# Allegro board 038RT-9068CJK8E-A100_0921_1.brd (continued)
## Routing (per net, layer and track width the routed paths; a pad name or vN(x,y) marks a point on that pad's centre or on a via; arc(x,y) is an arc through that point) (continued)
S0_P5_VDDIO:
  vias: v1(291.7,211.02) v1(291.7,207.82) v1(292.5,207.82) v1(298.28,207.59) v1(298.92,207.59)
S0_P6_CLKREQB: length 207
  L46_SIGNAL w0.145: K211.3 190.76,54.51 190.76,52.62 191.75,51.63 196.58,51.63 198.62,53.67 198.62,58.8 216.69,76.87 231.39,76.87 241.87,87.36 241.87,151.34 252.33,161.8 258.51,161.8 276.04,179.32 276.04,184.45 278.67,187.08 278.67,193.98 276.53,196.12 276.53,199.7 277.45,200.62 v1(278.1,200.62)
S0_P6_HSI+: length 33.1
  L03_SIGNAL w0.185: 256.92,189.86 257.78,189.86 arc(258.13,189.93) 258.43,190.13 265.52,197.21 arc(265.74,197.37) 266.01,197.42 280.91,197.42 arc(281.62,197.71) 281.91,198.42 281.91,198.73 arc(281.93,198.83) 281.99,198.92 v4(282.1,199.02)
  L03_SIGNAL w0.2: v1(256.65,189.74) arc(256.77,189.83) 256.92,189.86
  BOTTOM w0.14: v1(256.65,189.74) 256.51,189.88 253.31,189.88 K213.7
S0_P6_HSI-: length 33.1
  L03_SIGNAL w0.185: 256.92,190.29 257.78,190.29 arc(257.96,190.33) 258.12,190.43 258.29,190.6 arc(258.36,190.71) 258.38,190.83 258.38,190.87 arc(258.41,191.01) 258.49,191.13 258.62,191.26 arc(258.74,191.34) 258.89,191.37 258.93,191.37 arc(259.05,191.4) 259.16,191.47 259.33,191.65 arc(259.41,191.75) 259.43,191.88 259.43,191.91 arc(259.46,192.06) 259.54,192.18 259.66,192.31 arc(259.79,192.39) 259.94,192.42 259.97,192.42 arc(260.1,192.44) 260.2,192.51 260.38,192.69 arc(260.45,192.8) 260.48,192.92 260.48,192.96 arc(260.5,193.1) 260.58,193.22 260.72,193.36 arc(260.84,193.44) 260.98,193.47 261.02,193.47 arc(261.14,193.49) 261.25,193.56 261.43,193.74 arc(261.5,193.85) 261.52,193.97 261.52,194.01 arc(261.56,194.2) 261.67,194.36 arc(261.84,194.47) 262.03,194.51 262.06,194.51 arc(262.19,194.54) 262.3,194.61 262.47,194.79 arc(262.54,194.89) 262.57,195.02 262.57,195.05 arc(262.6,195.21) 262.69,195.35 262.78,195.44 arc(262.91,195.53) 263.07,195.56 263.11,195.56 arc(263.24,195.58) 263.34,195.65 265.21,197.52 arc(265.58,197.77) 266.01,197.85 280.91,197.85 arc(281.31,198.02) 281.48,198.42 281.48,198.73 arc(281.46,198.83) 281.4,198.92 v4(281.3,199.02)
  L03_SIGNAL w0.2: v1(256.65,190.4) arc(256.77,190.32) 256.92,190.29
  BOTTOM w0.14: K213.6 253.31,190.27 256.51,190.27 v1(256.65,190.4)
S0_P6_HSO+: length 30.5
  TOP w0.14: SITE0.W3 arc(279.83,198.83) 279.9,198.6 arc(279.9,198.56) 279.9,198.53 279.9,198.52 arc(279.71,198.06) 279.24,197.87 267.65,197.87 arc(266.87,197.71) 266.22,197.27 265.99,197.05 arc(265.89,196.98) 265.78,196.96 265.75,196.96 arc(265.64,196.94) 265.54,196.87 265.46,196.79 arc(265.39,196.69) 265.37,196.58 265.37,196.55 arc(265.35,196.43) 265.28,196.34 265.2,196.25 arc(265.1,196.19) 264.99,196.17 264.96,196.17 arc(264.87,196.15) 264.8,196.1 264.64,195.95 arc(264.59,195.87) 264.58,195.78 264.58,195.76 arc(264.55,195.64) 264.49,195.54 264.41,195.46 arc(264.31,195.4) 264.2,195.37 264.17,195.37 arc(264.08,195.36) 264.01,195.31 263.85,195.15 arc(263.8,195.08) 263.79,194.99 263.79,194.96 arc(263.76,194.85) 263.7,194.75 263.61,194.67 arc(263.52,194.6) 263.4,194.58 263.38,194.58 arc(263.31,194.57) 263.26,194.53 263.04,194.32 arc(263.01,194.26) 262.99,194.2 262.99,194.17 arc(262.97,194.06) 262.91,193.96 262.82,193.88 arc(262.73,193.81) 262.61,193.79 262.58,193.79 arc(262.48,193.77) 262.39,193.71 262.28,193.6 arc(262.22,193.51) 262.2,193.41 262.2,193.38 arc(262.18,193.27) 262.11,193.17 262.03,193.09 arc(261.93,193.02) 261.82,193 261.79,193 arc(261.68,192.98) 261.58,192.91 261.5,192.83 arc(261.43,192.73) 261.41,192.62 261.41,192.59 arc(261.39,192.47) 261.32,192.38 arc(261.2,192.3) 261.06,192.27 255.45,192.27 arc(255.28,192.3) v1(255.13,192.4)
  BOTTOM w0.14: K213.2 253.31,192.27 254.99,192.27 v1(255.13,192.4)
S0_P6_HSO-: length 30.5
  TOP w0.14: SITE0.W4 arc(280.35,198.79) 280.29,198.53 280.29,198.52 arc(279.98,197.78) 279.24,197.48 267.65,197.48 arc(267.02,197.35) 266.49,197 266.27,196.77 261.6,192.1 arc(261.35,191.94) 261.06,191.88 255.45,191.88 arc(255.28,191.84) v1(255.13,191.74)
  BOTTOM w0.14: v1(255.13,191.74) 254.99,191.88 253.31,191.88 K213.3
S0_P6_ISOLATEB: length 180.6
  L46_SIGNAL w0.102: 279.3,198.6 279.3,200.22 v1(278.9,200.62)
  L46_SIGNAL w0.145: K220.3 256.3,54.33 256.3,52.97 255.71,52.38 253.6,52.38 252.85,53.13 252.85,71.64 243.7,80.79 243.7,150.62 252.84,159.77 260.46,159.77 280.85,180.16 280.85,186.53 282.45,188.12 282.45,193.49 279.3,196.65 279.3,198.6
S0_P6_LANWAKEB: length 193.2
  L46_SIGNAL w0.102: v1(278.9,201.42) 278.5,201.82 277.68,201.82
  L46_SIGNAL w0.145: 277.68,201.82 277.47,201.82 275.7,200.04 275.7,194.82 277.35,193.17 277.35,187.26 275.32,185.23 275.32,180.41 258.46,163.55 251.54,163.55 236.33,148.34 236.33,89.58 225.05,78.3 214.34,78.3 197.25,61.22 197.25,57.29 K212.3
S0_P6_LED: length 24.1
  L05_SIGNAL w0.102: v1(289.3,204.62) 289.7,204.22 292.92,204.22
  L05_SIGNAL w0.105: 292.92,204.22 301.4,204.22 302.8,202.82 310.69,202.82 v1(312.06,201.45)
S0_P6_MDI+: length 69.5
  L03_SIGNAL w0.136: v1(282.1,212.62) 281.54,213.17 281.54,216.15 280.6,217.09 263.25,217.09 262.17,216.01 226.78,216.01 225.8,215.02 225.8,212.01 226.33,211.48 229.86,211.48 230,211.35 K140.3
S0_P6_MDI-: length 69.5
  L03_SIGNAL w0.136: K140.6 230,212.07 229.86,211.94 226.52,211.94 226.25,212.2 226.25,214.84 226.97,215.55 262.35,215.55 263.44,216.64 269.34,216.64 269.5,216.48 269.5,216.22 269.66,216.06 269.88,216.06 270.04,216.22 270.04,216.48 270.2,216.64 270.43,216.64 270.59,216.48 270.59,216.22 270.75,216.06 270.97,216.06 271.13,216.22 271.13,216.48 271.29,216.64 271.51,216.64 271.67,216.48 271.67,216.22 271.83,216.06 272.06,216.06 272.22,216.22 272.22,216.48 272.38,216.64 280.42,216.64 281.09,215.97 281.09,212.83 v1(281.3,212.62)
S0_P6_PCIE_RESETB: length 168.3
  L46_SIGNAL w0.145: v1(278.1,199.82) 277.78,199.82 277.33,199.37 277.33,197.33 279.47,195.19 279.47,186.34 277.07,183.94 277.07,177.89 259.7,160.53 252.59,160.53 242.93,150.88 242.93,77.02 249.79,70.16 249.79,57.49 K221.3
S0_P6_REFCLK+: length 53.1
  L07_SIGNAL w0.1: v1(278.9,199.82) 278.5,199.42 278.5,198.72 278.72,198.5 278.72,198.05 278.53,197.87 254.7,197.87 254.33,198.23 242.78,198.23 236.8,192.25 236.58,192.25 236.4,192.44 236.18,192.44 236,192.25 235.78,192.25 235.6,192.44 235.38,192.44 235.2,192.25 234.98,192.25 234.8,192.44 234.58,192.44 234.4,192.25 234.18,192.25 234,192.44 233.78,192.44 233.6,192.25 232.81,192.25 v1(232.66,192.4)
  BOTTOM w0.105: v1(232.66,192.4) 232.52,192.27 231.1,192.27 K214.2
S0_P6_REFCLK-: length 53.1
  L07_SIGNAL w0.1: v1(279.7,199.82) 279.3,199.42 279.3,198.72 279.08,198.5 279.08,197.9 278.68,197.5 254.55,197.5 254.18,197.87 242.93,197.87 236.95,191.89 232.81,191.89 v1(232.66,191.74)
  BOTTOM w0.105: v1(232.66,191.74) 232.52,191.88 231.1,191.88 K214.3
S0_P7_CLKREQB: length 206.3
  L46_SIGNAL w0.102: 277.68,203.42 280.76,203.42 280.9,203.28 280.9,202.62 v1(281.3,202.22)
  L46_SIGNAL w0.145: 277.68,203.42 276.81,203.42 273.93,200.54 273.93,194.5 275.25,193.19 275.25,189.16 272.55,186.46 272.55,180.61 257.86,165.92 249.85,165.92 234.55,150.62 234.55,90.42 224.54,80.41 207.51,80.41 187.76,60.66 187.76,57.21 K211.6
S0_P7_HSI+: length 41.1
  L03_SIGNAL w0.185: 256.92,185.36 259.74,185.36 arc(260.6,185.71) 260.95,186.56 260.95,188.32 arc(261.01,188.63) 261.19,188.9 267.83,195.54 arc(267.99,195.65) 268.18,195.69 284.31,195.69 arc(285.45,196.16) 285.91,197.29 285.91,198.58 arc(285.96,198.82) v4(286.1,199.02)
  L03_SIGNAL w0.2: v1(256.65,185.24) arc(256.77,185.33) 256.92,185.36
  BOTTOM w0.14: K213.16 253.31,185.38 256.51,185.38 v1(256.65,185.24)
S0_P7_HSI-: length 41.1
  L03_SIGNAL w0.185: 256.92,185.79 259.74,185.79 arc(260.29,186.02) 260.51,186.56 260.51,188.32 arc(260.61,188.8) 260.88,189.2 262.28,190.61 arc(262.35,190.71) 262.37,190.83 262.37,190.87 arc(262.4,191.01) 262.48,191.13 262.61,191.26 arc(262.73,191.34) 262.88,191.37 262.91,191.37 arc(263.04,191.4) 263.14,191.47 263.32,191.65 arc(263.39,191.75) 263.42,191.88 263.42,191.91 arc(263.45,192.06) 263.53,192.18 263.65,192.31 arc(263.78,192.39) 263.92,192.42 263.96,192.42 arc(264.08,192.44) 264.19,192.51 264.37,192.69 arc(264.44,192.8) 264.46,192.92 264.46,192.96 arc(264.49,193.1) 264.57,193.22 264.71,193.36 arc(264.83,193.44) 264.97,193.47 265.01,193.47 arc(265.13,193.49) 265.24,193.56 265.42,193.74 arc(265.49,193.85) 265.51,193.97 265.51,194.01 arc(265.55,194.2) 265.66,194.36 arc(265.82,194.47) 266.02,194.51 266.05,194.51 arc(266.18,194.54) 266.28,194.61 266.46,194.79 arc(266.54,194.91) 266.57,195.05 266.57,195.16 arc(266.61,195.26) 266.68,195.35 266.77,195.44 arc(266.9,195.53) 267.06,195.56 267.1,195.56 arc(267.22,195.58) 267.33,195.65 267.53,195.85 arc(267.83,196.05) 268.18,196.12 284.31,196.12 arc(285.14,196.46) 285.48,197.29 285.48,198.58 arc(285.43,198.82) v4(285.3,199.02)
  L03_SIGNAL w0.2: v1(256.65,185.9) arc(256.77,185.82) 256.92,185.79
  BOTTOM w0.14: v1(256.65,185.9) 256.51,185.77 253.31,185.77 K213.15
S0_P7_HSO+: length 37.2
  TOP w0.14: SITE0.W8 arc(283.83,198.81) 283.88,198.57 283.88,197.28 arc(283.51,196.38) 282.61,196.01 268.42,196.01 arc(268.15,195.96) 267.92,195.81 267.25,195.14 arc(267.16,195.07) 267.04,195.05 267.01,195.05 arc(266.91,195.03) 266.82,194.97 266.72,194.87 arc(266.65,194.78) 266.63,194.67 266.63,194.64 arc(266.61,194.52) 266.55,194.43 266.46,194.35 arc(266.37,194.28) 266.25,194.26 266.22,194.26 arc(266.14,194.24) 266.06,194.19 265.91,194.04 arc(265.86,193.96) 265.84,193.88 265.84,193.85 arc(265.82,193.73) 265.75,193.64 265.67,193.55 arc(265.57,193.49) 265.46,193.47 265.43,193.47 arc(265.34,193.45) 265.26,193.4 265.12,193.25 arc(265.07,193.17) 265.05,193.08 265.05,193.06 arc(265.03,192.94) 264.96,192.84 264.88,192.76 arc(264.78,192.7) 264.67,192.67 264.64,192.67 arc(264.54,192.65) 264.46,192.6 264.33,192.47 arc(264.28,192.39) 264.26,192.29 264.26,192.26 arc(264.23,192.15) 264.17,192.05 264.09,191.97 arc(263.99,191.9) 263.88,191.88 263.85,191.88 arc(263.76,191.86) 263.68,191.81 263.53,191.67 arc(263.48,191.59) 263.47,191.5 263.47,191.47 arc(263.44,191.36) 263.38,191.26 263.29,191.18 arc(263.2,191.11) 263.08,191.09 263.06,191.09 arc(262.96,191.07) 262.87,191.01 262.75,190.89 arc(262.69,190.81) 262.67,190.71 262.67,190.68 arc(262.65,190.57) 262.59,190.47 260.12,188 arc(259.86,187.83) 259.55,187.77 259,187.77 arc(258.82,187.8) v1(258.67,187.9)
  BOTTOM w0.14: v1(258.67,187.9) 258.54,187.77 253.31,187.77 K213.11
S0_P7_HSO-: length 37.2
  TOP w0.14: v1(258.67,187.24) arc(258.82,187.34) 259,187.38 259.55,187.38 arc(260.01,187.47) 260.4,187.73 268.2,195.53 arc(268.3,195.6) 268.42,195.62 282.61,195.62 arc(283.79,196.11) 284.27,197.28 284.27,198.48 arc(284.33,198.77) SITE0.W9
  BOTTOM w0.14: v1(258.67,187.24) 258.54,187.38 253.31,187.38 K213.12
S0_P7_ISOLATEB: length 172.2
  L46_SIGNAL w0.102: v1(280.5,201.42) 280.1,201.02 280.1,198.6
  L46_SIGNAL w0.145: 280.1,198.6 280.1,197.85 283.25,194.7 283.25,181.03 260.71,158.5 254.11,158.5 244.71,149.1 244.71,81.79 255.89,70.61 255.89,57.11 K220.6
S0_P7_LANWAKEB: length 197.3
  L46_SIGNAL w0.102: 277.68,202.62 280.1,202.62 v1(280.5,202.22)
  L46_SIGNAL w0.145: 277.68,202.62 277.14,202.62 275.01,200.48 275.01,194.5 276.05,193.46 276.05,187.62 273.49,185.07 273.49,180.43 257.4,164.34 250.55,164.34 235.31,149.1 235.31,89.92 225.01,79.61 213.15,79.61 194.15,60.61 194.15,57.39 K212.6
S0_P7_PCIE_RESETB: length 189
  L46_SIGNAL w0.102: 280.9,198.6 280.9,201.02 v1(281.3,201.42)
  L46_SIGNAL w0.145: 280.9,198.6 280.9,198.18 284.05,195.03 284.05,180.05 261.48,157.48 254.87,157.48 245.73,148.34 245.73,83.31 258.94,70.1 258.94,52.53 258.17,51.77 250.87,51.77 249.86,52.79 249.86,54.22 K221.6
S0_P7_REFCLK+: length 57.1
  L07_SIGNAL w0.1: v1(234.44,190.4) 234.59,190.25 235.58,190.25 235.75,190.42 235.98,190.42 236.15,190.25 236.38,190.25 236.55,190.42 236.78,190.42 236.95,190.25 237.18,190.25 237.35,190.42 237.58,190.42 237.75,190.25 237.98,190.25 238.15,190.42 238.38,190.42 238.55,190.25 240.07,190.25 241.94,192.13 247.97,192.13 249.31,193.46 253.77,193.46 256.27,195.96 280.28,195.96 281.91,197.6 281.91,198.48 281.7,198.7 281.7,199.42 v1(282.1,199.82)
  BOTTOM w0.105: K214.6 231.1,190.27 234.3,190.27 v1(234.44,190.4)
S0_P7_REFCLK-: length 57.1
  L07_SIGNAL w0.1: v1(234.44,189.74) 234.59,189.89 240.22,189.89 242.1,191.76 248.12,191.76 249.46,193.1 253.92,193.1 256.42,195.6 280.43,195.6 282.28,197.45 282.28,198.47 282.5,198.69 282.5,199.42 v1(282.9,199.82)
  BOTTOM w0.105: v1(234.44,189.74) 234.38,189.8 231.1,189.8 231.07,189.83 231.05,189.83 K214.7
S0_PGATE:
  vias: v1(281.3,207.82)
S0_R_P0_RXC: length 5
  BOTTOM w0.115: K233.3 172.03,223.63 168.85,223.63 RR410.2
S0_R_P0_RXD0: length 5.1
  BOTTOM w0.115: RR413.2 168.91,230.85 171.97,230.85 K182.6
S0_R_P0_RXD1: length 5.1
  BOTTOM w0.115: RR407.2 184.67,224.64 187.73,224.64 K231.6
S0_R_P0_RXD2: length 5.1
  BOTTOM w0.115: K233.6 171.97,224.64 168.91,224.64 RR411.2
S0_R_P0_RXD3: length 5
  BOTTOM w0.115: K232.3 172.03,217.42 168.85,217.42 RR408.2
S0_R_P0_RXDV: length 5.1
  BOTTOM w0.115: K232.6 171.97,218.43 168.91,218.43 RR409.2
S0_R_P0_RXER: length 5.1
  BOTTOM w0.115: RR406.2 184.67,230.85 187.73,230.85 K183.6
S0_R_P0_TXC: length 5.1
  BOTTOM w0.115: K181.6 187.73,218.43 184.67,218.43 RR404.2
S0_R_P0_TXD0: length 5.1
  BOTTOM w0.115: RR400.2 200.43,218.43 203.49,218.43 K180.6
S0_R_P0_TXD1: length 5
  BOTTOM w0.115: RR401.2 184.61,217.42 187.79,217.42 K181.3
S0_R_P0_TXD2: length 5
  BOTTOM w0.115: K182.3 172.03,229.84 168.85,229.84 RR402.2
S0_R_P0_TXD3: length 5
  BOTTOM w0.115: K183.3 187.79,229.84 184.61,229.84 RR403.2
S0_R_P0_TXEN: length 5
  BOTTOM w0.115: K180.3 203.55,217.42 200.37,217.42 RR405.2
S0_RESETB: length 55.2
  L07_SIGNAL w0.105: v1(225.31,203) 229.02,199.28 275.96,199.28 v1(278.1,201.42)
S0_RTT: length 31
  L03_SIGNAL w0.102: 286.5,213.06 286.5,211.42 v1(286.1,211.02)
  L03_SIGNAL w0.145: 286.5,213.06 287.41,213.98 305.12,213.98 307.36,216.21 312.01,216.21 v2(312.66,216.86)
  BOTTOM w0.115: R434.1 v2(312.66,216.86)
S0_SEL1_K145: length 9.2
  BOTTOM w0.203: K145.8 26.39,229.37 25.23,228.21 RL15.1 RU11.2 23.37,228.21 23.21,228.37 23.21,232.22 RU12.1
S0_SEL2_K145: length 3.2
  BOTTOM w0.203: K145.17 RU12.2
S0_SEL2_K217: length 3.2
  BOTTOM w0.115: K217.17 139.57,200.62 140.51,199.68 RL38.1
S0_SPI_CSB: length 25.7
  L03_SIGNAL w0.102: 292.92,205.02 290.5,205.02 v1(290.1,205.42)
  L03_SIGNAL w0.145: v1(315.24,203.99) 314.2,205.02 292.92,205.02
S0_SPI_SCK: length 26.9
  L03_SIGNAL w0.102: 292.92,202.62 290.5,202.62 v1(290.1,203.02)
  L03_SIGNAL w0.145: v1(315.24,198.91) 313.75,200.39 297.1,200.39 294.78,202.71 293.01,202.71 292.92,202.62
S0_SPI_SI: length 20.2
  L03_SIGNAL w0.102: 292.92,201.82 290.5,201.82 v1(290.1,202.22)
  L03_SIGNAL w0.145: 292.92,201.82 292.99,201.75 294.62,201.75 296.58,199.78 308.01,199.78 v1(308.89,198.91)
S0_SPI_SO: length 19.1
  L03_SIGNAL w0.102: v1(290.1,204.62) 290.5,204.22 292.92,204.22
  L03_SIGNAL w0.145: 292.92,204.22 308.65,204.22 v1(308.89,203.99)
S0_SPI_VDDIO:
  vias: v1(274.65,187.71) v1(274.65,187.07) v1(289.3,202.22)
S0_SW_CTRL: length 344
  L21_SIGNAL w0.105: 24.62,65.41 26.02,66.8 90.66,66.8 115.17,91.31 237.98,91.31 240.2,93.53 240.2,97.33 244.95,102.08 247.65,102.08 248,102.44 248.4,102.44 SLOT2-DOWN.E5
  L44_SIGNAL w0.105: v2(31.42,117.05) 31.42,116.19 30.82,115.6 30.82,110.15 v2(31.42,109.55) 31.3,109.44 31.3,98.12 v2(31.42,98) 31.42,97.65 30.82,97.05 29.32,97.05 28.66,96.39 28.66,91.87 28.13,91.34 27.01,91.34 v2(26.17,90.5) 24.62,88.95 24.62,65.41 25.36,64.67 25.36,61.77 29.12,58.01 v2(29.12,46.16) v2(29.12,38.43)
  BOTTOM w0.115: U17.25 27.62,91 27.57,91.05 26.72,91.05 v2(26.17,90.5) ; U18.10 29.97,117.55 30.02,117.6 30.87,117.6 v2(31.42,117.05) ; v2(29.12,38.43) 30.39,38.43 30.62,38.66 U6.10 ; U18.25 29.57,110.05 30.07,109.55 v2(31.42,109.55) ; v2(31.42,98) 30.87,98.55 30.02,98.55 29.97,98.5 U17.10 ; U6.25 v2(29.12,46.16)
S0_SWR1_EN: length 3.8
  TOP w0.305: SWR1.7 119.03,34.94 118.72,35.25 117.83,35.25 R548.2 CS5.1
S0_SWR1_FB: length 8.5
  TOP w0.305: RB8.1 RB7.2 CS2.2 ; RB8.1 117.24,31.47 116.47,30.7 SG0_SWR1_FB.1 ; RB8.1 117.89,32.03 SWR1.1
S0_SWR1_LX: length 1.7
  TOP w0.254: SWR1.6 119.53,36.22 LX1.1
S0_SWR1_PG: length 2.1
  TOP w0.305: RS6.2 118.46,31.72 119.03,32.29 SWR1.2
S0_SWR1_VIN: length 4.2
  TOP w0.305: RS9.2 120.73,29.49 119.53,30.7 SWR1.3
S0_TAPSL0: length 273.7
  L17_SIGNAL w0.102: 277.68,203.42 278.5,203.42 v1(278.9,203.02)
  L17_SIGNAL w0.105: 277.68,203.42 277.36,203.42 274.35,200.41 266.98,200.41 261.91,195.34 261.91,183.41 261.63,183.13 261.63,180.28 248.1,166.75 213.08,166.75 150.47,104.14 134.37,104.14 87.69,57.46 87.69,47.03 86.63,45.97 v2(86.63,44.7)
S0_TAPSL0_HIGH: length 2.7
  BOTTOM w0.115: R342.1 S0_TAPSL0.1
S0_TAPSL0_LOW: length 2.7
  BOTTOM w0.115: R343.1 S0_TAPSL0.3
S0_TAPSL1: length 265.9
  L17_SIGNAL w0.102: v1(278.9,202.22) 278.5,202.62 277.68,202.62
  L17_SIGNAL w0.105: 277.68,202.62 277.43,202.62 274.6,199.8 267.23,199.8 262.52,195.08 262.52,183.16 262.18,182.82 262.18,179.98 248.35,166.14 213.33,166.14 150.01,102.82 138.62,102.82 105.12,69.32 105.12,54.29 96.79,45.97 v2(96.79,44.7)
S0_TAPSL1_HIGH: length 2.7
  BOTTOM w0.115: R344.1 S0_TAPSL1.1
S0_TAPSL1_LOW: length 2.7
  BOTTOM w0.115: R345.1 S0_TAPSL1.3
S0_TCT: length 9.9
  TOP w0.115: C171.1 v2(57.76,140.04) ; T12.15 v2(54.59,140.04) ; T12.10 v2(60.94,140.04)
  L03_SIGNAL w0.145: v2(54.59,140.04) v2(57.76,140.04) v2(60.94,140.04)
S0_TDO: length 22.9
  L03_SIGNAL w0.102: 292.92,207.42 290.5,207.42 v1(290.1,207.82)
  L03_SIGNAL w0.145: v1(312.06,209.07) 311.49,208.5 295.03,208.5 293.88,207.35 292.99,207.35 292.92,207.42
S0_U1_FE_MDI+: length 9.5
  TOP w0.105: K56.4 60.66,146.41 61.05,146.02 61.05,143.85 60.71,143.51 60.71,140.93
  TOP w0.115: 60.71,140.93 59.67,139.89 T12.11
S0_U1_FE_MDI-: length 9.5
  TOP w0.105: 61.17,140.93 61.17,143.31 61.52,143.66 61.52,146.02 61.91,146.41 K56.5
  TOP w0.115: 61.17,140.93 62.21,139.89 T12.9
S0_U1_FE_MDIX+: length 9.5
  TOP w0.105: 54.36,140.93 54.36,143.31 54.01,143.66 54.01,146.02 53.62,146.41 K52.4
  TOP w0.115: 54.36,140.93 53.32,139.89 T12.16
S0_U1_FE_MDIX-: length 9.5
  TOP w0.105: 54.82,140.93 54.82,143.51 54.47,143.85 54.47,146.02 54.86,146.41 K52.5
  TOP w0.115: T12.14 55.86,139.89 54.82,140.93
S0_U1_P0_MDI+: length 13.3
  BOTTOM w0.105: T7.3 250.65,206.35 251.39,206.35 252,205.73 252,205.36 252.53,204.83 261.11,204.83 261.21,204.93 K60.4
S0_U1_P0_MDI-: length 13.3
  BOTTOM w0.105: T7.4 250.65,205.88 251.19,205.88 251.54,205.54 251.54,205.17 252.34,204.36 261.11,204.36 261.21,204.26 K60.5
S0_U1_P1_MDI+: length 14
  BOTTOM w0.105: K64.4 227.8,204.26 227.9,204.36 236.51,204.36 236.73,204.15 236.73,202.92 237.32,202.33 238.37,202.33 T8.3
S0_U1_P1_MDI-: length 14
  BOTTOM w0.105: K64.5 227.8,204.93 227.9,204.83 236.7,204.83 237.19,204.34 237.19,203.11 237.51,202.8 238.36,202.8 T8.4
S0_U1_P2_GIGA_MDI+: length 2.6
  BOTTOM w0.105: 287.43,222.05 287.43,223.39
  BOTTOM w0.115: 287.43,223.39 C385.1 ; T18.2 287.43,222.05
S0_U1_P2_GIGA_MDI-: length 2.6
  BOTTOM w0.105: 286.96,222.05 286.96,223.39
  BOTTOM w0.115: 286.96,223.39 C384.1 ; T18.1 286.96,222.05
S0_U1_P3_GIGA_MDI+: length 2.6
  BOTTOM w0.105: 294.03,222.05 294.03,223.39
  BOTTOM w0.115: 294.03,223.39 C413.1 ; T23.2 294.03,222.05
S0_U1_P3_GIGA_MDI-: length 2.6
  BOTTOM w0.105: 293.57,222.05 293.57,223.39
  BOTTOM w0.115: T23.1 293.57,222.05 ; 293.57,223.39 C412.1
S0_U1_P5_MDI+: length 13.8
  BOTTOM w0.105: T17.3 250.65,213.97 251.39,213.97 252,213.35 252,212.47 252.53,211.94 261.11,211.94 261.21,212.05 K130.4
S0_U1_P5_MDI-: length 13.8
  BOTTOM w0.105: K130.5 261.21,211.37 261.11,211.48 252.34,211.48 251.54,212.28 251.54,213.16 251.19,213.5 250.65,213.5 T17.4
S0_U1_P6_MDI+: length 13.5
  BOTTOM w0.105: T15.3 238.37,209.95 237.25,209.95 236.81,210.4 236.81,211.15 236.48,211.48 227.9,211.48 227.8,211.37 K140.4
S0_U1_P6_MDI-: length 13.5
  BOTTOM w0.105: T15.4 238.36,210.42 237.44,210.42 237.27,210.59 237.27,211.34 236.67,211.94 227.9,211.94 227.8,212.05 K140.5
S0_U2_FE_MDI+: length 127.9
  TOP w0.105: 60.71,126.93 60.71,127.72
  TOP w0.115: T12.6 59.67,128.75 60.71,127.72 ; v1(60.61,126.83) 60.71,126.93
  L40_SIGNAL w0.1: v1(34.18,39.53) 34.14,39.53 33.94,39.73 32.38,39.73 31.47,40.64 31.47,42.1 30.83,42.74 27.36,42.74 25.95,44.15 25.95,55.41 46.25,75.71 46.25,76.64 45.7,77.19 42.62,77.19 41.43,78.38 41.43,82.07 42.24,82.88 47.88,82.88 50.11,85.11 50.11,121.44 52.7,124.03 60.09,124.03 60.76,124.69 60.76,126.68 v1(60.61,126.83)
  BOTTOM w0.105: v1(34.18,39.53) 34.04,39.68 31.58,39.68 U6.12
S0_U2_FE_MDI-: length 127.9
  TOP w0.105: 61.17,126.93 61.17,127.72
  TOP w0.115: v1(61.27,126.83) 61.17,126.93 ; T12.8 62.21,128.75 61.17,127.72
  L40_SIGNAL w0.1: v1(61.27,126.83) 61.12,126.68 61.12,124.54 60.25,123.67 52.85,123.67 50.47,121.29 50.47,84.96 48.03,82.52 42.4,82.52 41.8,81.92 41.8,78.53 42.77,77.55 45.85,77.55 46.61,76.79 46.61,75.56 26.31,55.26 26.31,44.3 27.51,43.1 30.98,43.1 31.83,42.25 31.83,41.9 31.93,41.79 32.15,41.79 32.25,41.69 32.25,41.5 32.15,41.39 31.93,41.39 31.83,41.29 31.83,40.79 32.53,40.09 33.98,40.09 v1(34.18,40.29)
  BOTTOM w0.105: v1(34.18,40.29) 34.04,40.14 31.58,40.14 U6.13
S0_U2_FE_MDIX+: length 132.5
  TOP w0.105: 54.36,126.93 54.36,127.72
  TOP w0.115: T12.1 53.32,128.75 54.36,127.72 ; v1(54.26,126.83) 54.36,126.93
  L40_SIGNAL w0.1: v1(34.18,36.53) 33.98,36.73 31.76,36.73 31.09,37.4 31.09,39.02 30.38,39.73 25.62,39.73 23.76,41.59 23.76,55.69 38.69,70.62 38.69,91.32 40,92.63 43.78,92.63 44.63,91.78 44.63,88.44 45.13,87.93 46.91,87.93 47.73,88.76 47.73,122.76 50.45,125.47 54,125.47 54.41,125.88 54.41,126.68 v1(54.26,126.83)
  BOTTOM w0.105: v1(34.18,36.53) 34.04,36.68 31.58,36.68 U6.6
S0_U2_FE_MDIX-: length 132.5
  TOP w0.105: 54.82,126.93 54.82,127.72
  TOP w0.115: 54.82,127.72 55.86,128.75 T12.3 ; v1(54.92,126.83) 54.82,126.93
  L40_SIGNAL w0.1: v1(54.92,126.83) 54.77,126.68 54.77,125.73 54.15,125.11 50.6,125.11 48.09,122.61 48.09,88.61 47.06,87.57 44.98,87.57 44.27,88.29 44.27,91.63 43.63,92.26 40.15,92.26 39.05,91.17 39.05,70.47 24.12,55.54 24.12,41.74 25.77,40.09 30.53,40.09 31.45,39.17 31.45,38.81 31.55,38.71 31.77,38.71 31.87,38.61 31.87,38.41 31.77,38.31 31.55,38.31 31.45,38.21 31.45,37.55 31.91,37.09 33.98,37.09 v1(34.18,37.29)
  BOTTOM w0.105: v1(34.18,37.29) 34.04,37.14 31.58,37.14 U6.7
S0_U2_P0_MDI+: length 2.7
  BOTTOM w0.105: C195.1 244.44,206.35 245.92,206.35 T7.2
S0_U2_P0_MDI-: length 2.7
  BOTTOM w0.105: T7.1 245.91,205.89 244.44,205.89 C196.1
S0_U2_P1_MDI+: length 2.7
  BOTTOM w0.105: C198.1 244.57,202.33 243.09,202.33 T8.2
S0_U2_P1_MDI-: length 2.7
  BOTTOM w0.105: T8.1 243.1,202.8 244.57,202.8 C199.1
S0_U2_P2_GIGA_MDI+: length 253.3
  L46_SIGNAL w0.136: v3(288.21,227.08) 287.56,227.08 287.42,227.22 287.42,227.87 287.02,228.27 285.47,228.27 279.31,234.44 168.03,234.44 162.11,228.52 135.39,228.52 129.91,233.99 48.99,233.99 v3(48.89,234.1)
  BOTTOM w0.105: 287.43,226.03 287.43,226.3 ; v3(48.89,234.1) 48.79,234 48.41,234 47.2,235.2 45.68,235.2 K144.11
  BOTTOM w0.115: C385.2 287.43,226.03 ; 287.43,226.3 v3(288.21,227.08)
S0_U2_P2_GIGA_MDI-: length 253.3
  L46_SIGNAL w0.136: v3(286.18,227.08) 286.83,227.08 286.97,227.22 286.97,227.69 286.83,227.82 285.28,227.82 279.12,233.99 168.22,233.99 162.3,228.06 135.2,228.06 129.72,233.54 51.26,233.54 51.1,233.38 51.1,233.14 50.94,232.98 50.71,232.98 50.56,233.14 50.56,233.38 50.4,233.54 48.99,233.54 v3(48.89,233.44)
  BOTTOM w0.105: v3(48.89,233.44) 48.79,233.53 48.21,233.53 47.01,234.74 45.68,234.74 K144.12 ; 286.96,226.03 286.96,226.3
  BOTTOM w0.115: C384.2 286.96,226.03 ; 286.96,226.3 v3(286.18,227.08)
S0_U2_P2_RC: length 4.8
  BOTTOM w0.115: R454.2 288.21,230.24 R456.1 C391.1 286.18,230.24 R455.2
S0_U2_P3_GIGA_MDI+: length 261.2
  L46_SIGNAL w0.136: v3(48.36,240.14) 48.46,240.03 66.46,240.03 68.57,242.15 132.89,242.15 134.16,243.42 161.64,243.42 167.38,237.68 284.34,237.68 290.81,231.21 290.81,229.08 291.63,228.27 293.62,228.27 294.03,227.87 294.03,227.22 294.16,227.08 v3(294.82,227.08)
  BOTTOM w0.105: v3(48.36,240.14) 48.26,240.04 46.74,240.04 46.41,239.7 45.68,239.7 K144.2 ; 294.03,226.03 294.03,226.3
  BOTTOM w0.115: 294.03,226.3 v3(294.82,227.08) ; C413.2 294.03,226.03
S0_U2_P3_GIGA_MDI-: length 261.2
  L46_SIGNAL w0.136: v3(48.36,239.48) 48.46,239.58 49.84,239.58 50,239.42 50,239.18 50.16,239.02 50.38,239.02 50.54,239.18 50.54,239.42 50.7,239.58 66.65,239.58 68.76,241.7 133.08,241.7 134.34,242.96 161.46,242.96 167.19,237.23 284.15,237.23 290.36,231.02 290.36,228.9 291.44,227.82 293.44,227.82 293.57,227.68 293.57,227.22 293.44,227.08 v3(292.78,227.08)
  BOTTOM w0.105: K144.3 45.68,239.24 46.6,239.24 46.94,239.58 48.26,239.58 v3(48.36,239.48) ; 293.57,226.03 293.57,226.3
  BOTTOM w0.115: C412.2 293.57,226.03 ; 293.57,226.3 v3(292.78,227.08)
S0_U2_P3_RC: length 4.8
  BOTTOM w0.115: R498.2 294.82,230.24 R500.1 C418.1 292.78,230.24 R499.2
S0_U2_P5_MDI+: length 2.7
  BOTTOM w0.105: T17.2 245.92,213.97 244.44,213.97 C383.1
S0_U2_P5_MDI-: length 2.7
  BOTTOM w0.105: C381.1 244.44,213.51 245.91,213.51 T17.1
S0_U2_P6_MDI+: length 2.7